# Allegro board arena_12-12_v5.brd (continued)
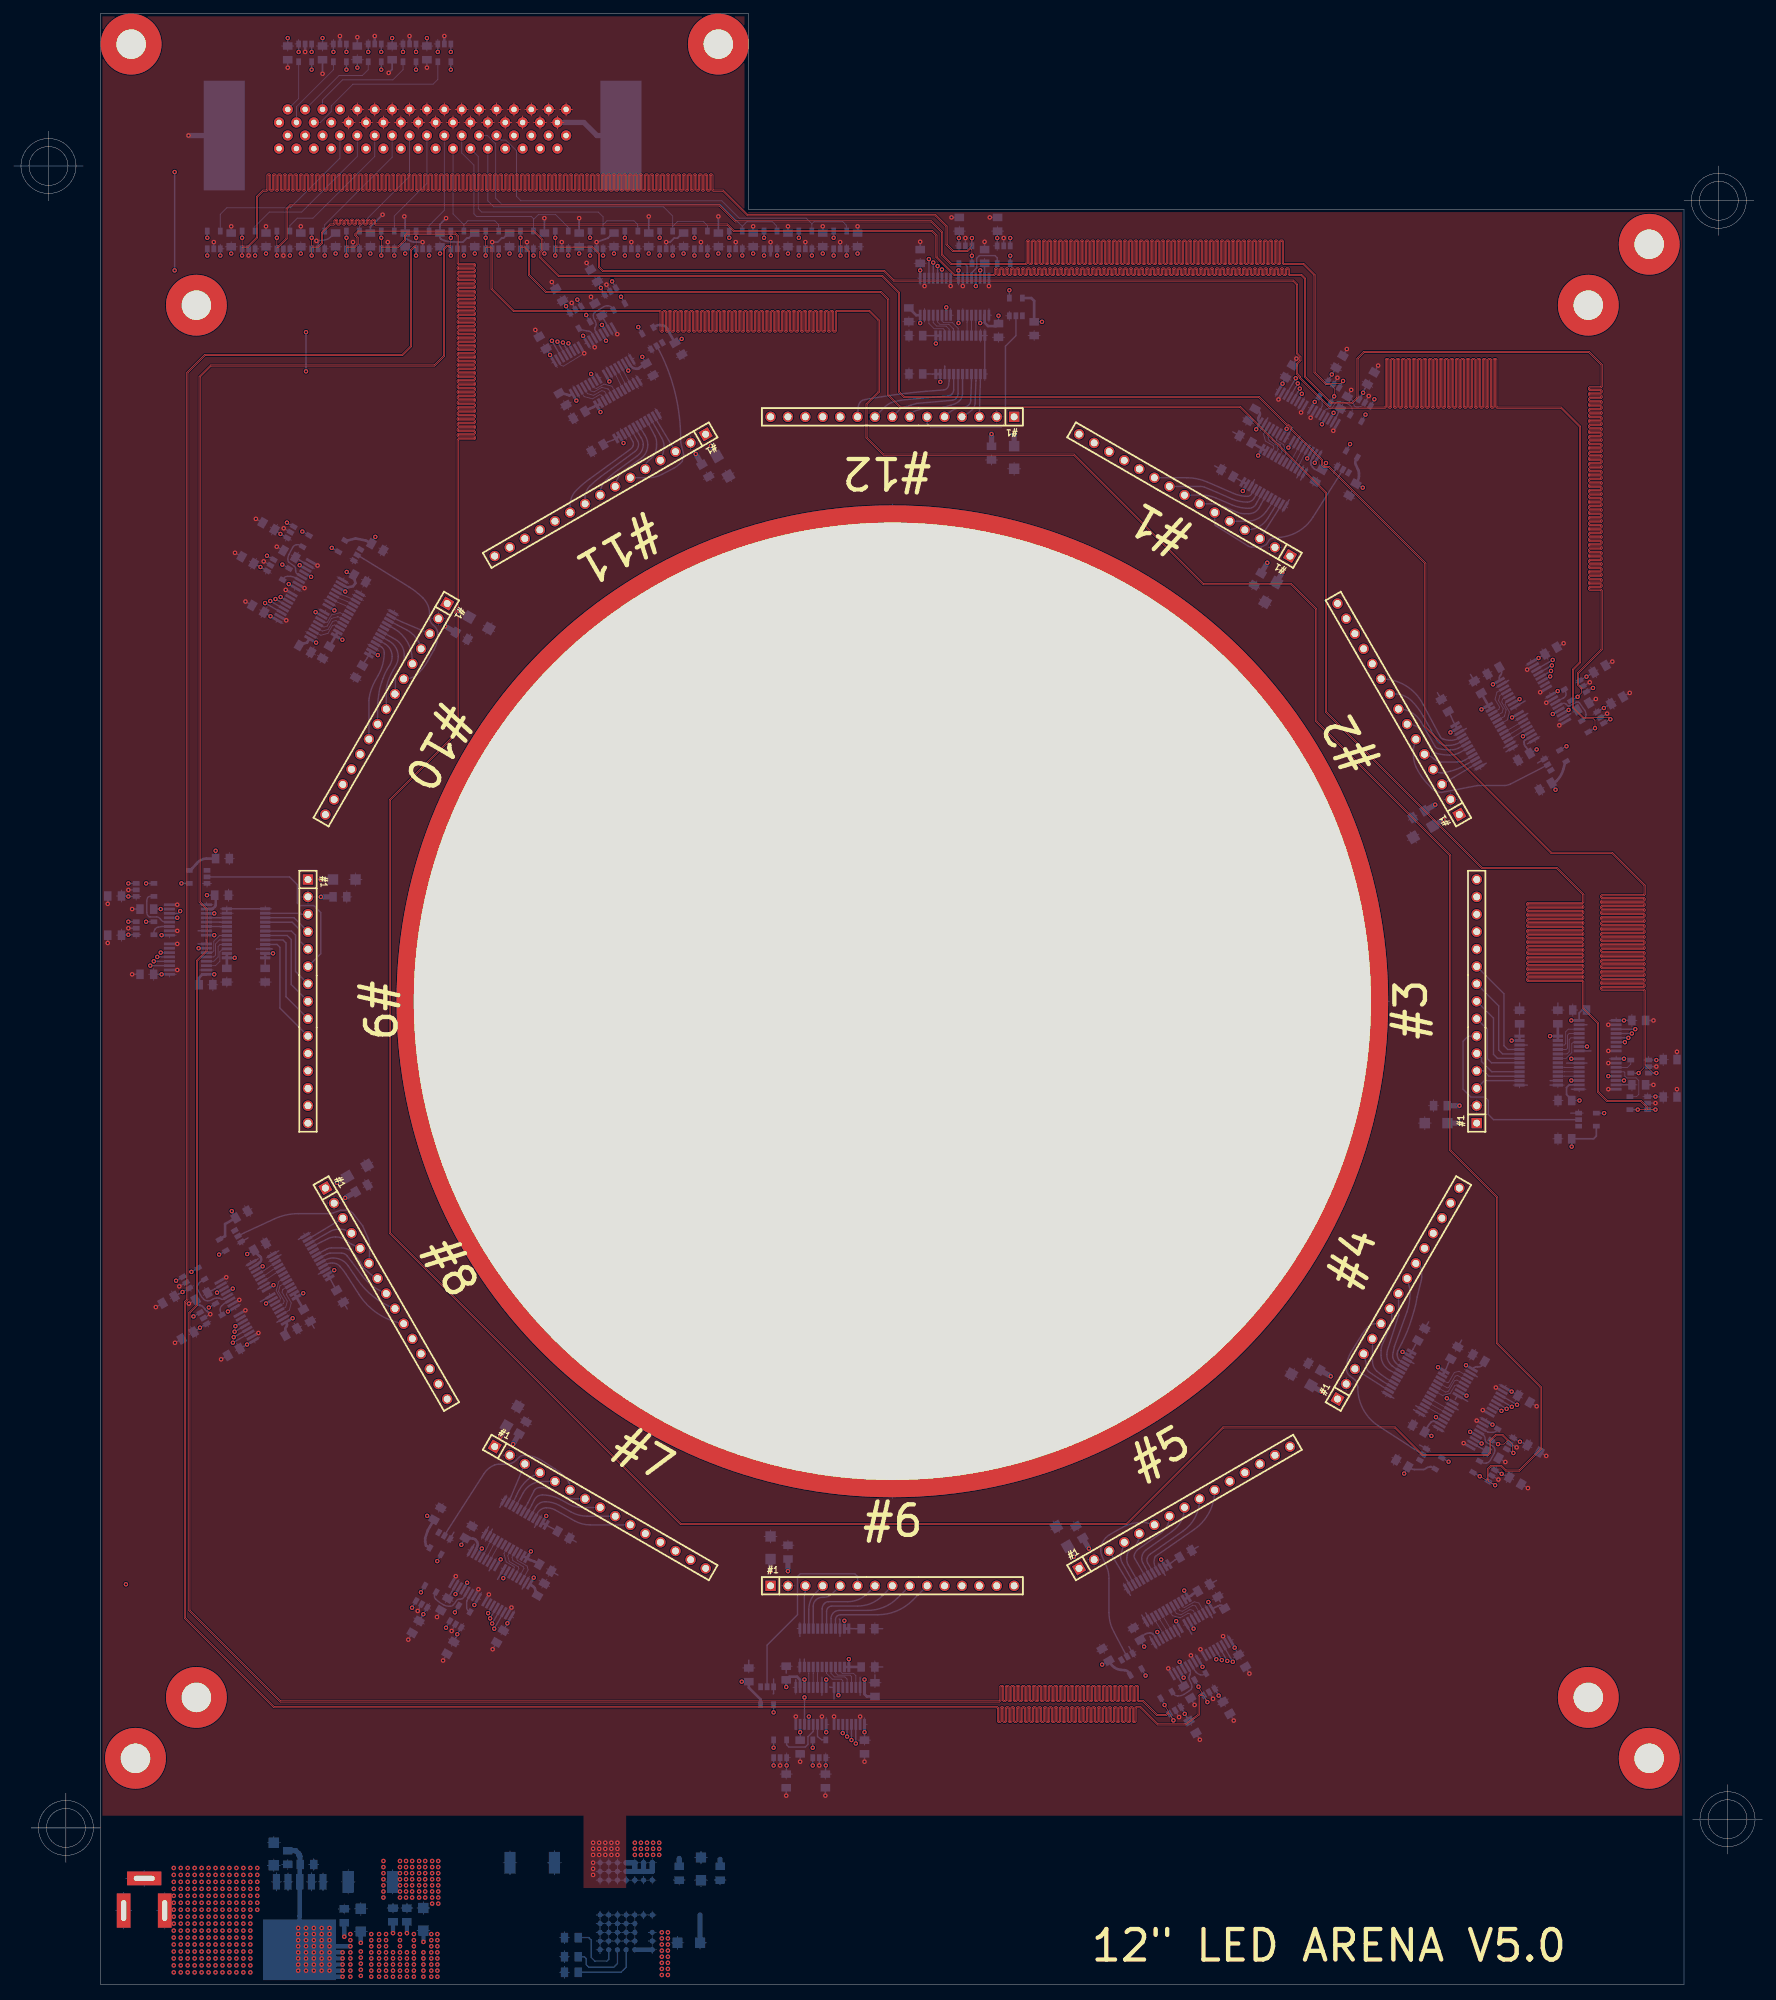
[diagram p0: board, top side]
## Routing (per net, layer and track width the routed paths; a pad name or vN(x,y) marks a point on that pad's centre or on a via; arc(x,y) is an arc through that point) (continued)
  BOTTOM w0.203: U97.4 v1(58.74,254.95) ; U98.3 v1(174.26,41.23)
MISO0: length 349.9
  GND2 w0.127: v1(115.44,41.91) 37.85,41.91 30.99,48.77 17.02,48.77 15.24,50.55 15.24,266.57 17.65,268.99 39.12,268.99 40.01,269.88
  BOTTOM w0.203: 115.44,37.97 v1(115.44,41.91)
MISO1: length 270.1
  PWR w0.203: v1(64.5,56.98) 63.06,58.42 v1(16.38,58.42)
  GND2 w0.127: v1(16.38,58.42) 15.88,58.93 15.88,224.66 37.59,246.38 37.59,264.29 J26.66
  BOTTOM w0.203: U14.6 v1(64.5,56.98)
MISO2: length 194
  GND2 w0.127: 42.55,269.88 42.55,259.59 40.64,257.68 40.64,254.38 41.15,253.87 41.15,247.65 16.51,223.01 16.51,161.8 20.32,157.99 20.32,153.03 18.29,151 18.29,107.31 18.8,106.81 28.19,106.81 29.72,105.28 29.72,101.59 29.81,101.49 v1(29.68,100.99)
  BOTTOM w0.203: U15.6 v1(29.68,100.99)
MISO3: length 130.9
  GND2 w0.127: J26.64 43.82,256.41 42.93,255.52 42.93,246.63 16.89,220.6 16.89,162.18 17.4,161.67 22.35,161.67 22.73,161.29 22.73,156.97 23.03,156.67 v1(24.3,156.67)
  BOTTOM w0.203: 22.73,156.34 23.96,156.34 v1(24.3,156.67)
MISO4: length 65.2
  GND2 w0.127: 45.09,269.88 45.09,253.37 44.45,252.73 44.45,209.86 v1(41.74,207.16)
  BOTTOM w0.203: 42.74,206.59 v1(41.74,207.16)
MISO5: length 68.2
  GND2 w0.127: v1(85.87,242.23) 84.96,243.14 84.96,248.67 86.74,250.44 86.74,253.49 87.25,254 87.25,263.78 86.36,264.67 46.99,264.67 46.36,265.3 46.36,267.97
  BOTTOM w0.203: 86.44,241.24 v1(85.87,242.23)
MISO6: length 125.8
  GND2 w0.127: v1(141.1,250.19) 140.46,250.82 140.46,256.41 139.45,257.43 137.15,257.43 137.12,257.4 136.17,257.4 135.64,257.94 106.43,257.94 105.41,258.95 105.41,274.57 103.38,276.61 49.91,276.61 48.9,275.59 48.9,273.43 47.63,272.16 47.63,271.53 48.9,270.26 J26.60
  BOTTOM w0.203: 141.1,249.05 v1(141.1,250.19)
MISO7: length 193.4
  GND2 w0.127: v1(192.68,229.4) 191.39,230.69 191.39,245.75 190.75,246.38 131.83,246.38 130.94,247.27 130.94,256.67 130.18,257.43 105.79,257.43 104.65,258.57 104.65,273.81 102.36,276.1 52.58,276.1 51.31,274.83 51.31,273.18 50.29,272.16 50.29,271.27 51.44,270.13 J26.58
  BOTTOM w0.203: 192.11,228.41 v1(192.68,229.4)
MISO8: length 265.1
  GND2 w0.127: J26.56 53.98,270.13 52.96,271.14 52.96,272.29 53.72,273.05 53.72,274.7 54.48,275.46 101.6,275.46 104.01,273.05 104.01,258.06 105.54,256.54 106.17,256.54 106.93,255.78 106.93,251.84 107.7,251.08 129.29,251.08 130.05,250.32 130.05,247.01 131.19,245.87 180.85,245.87 181.99,244.73 181.99,230.38 184.2,228.17 190.58,228.17 191.01,228.6 225.55,228.6 226.99,227.16 v1(226.99,186.03)
  BOTTOM w0.203: U21.6 v1(226.99,186.03)
MISO9: length 311.3
  GND2 w0.127: v1(235.08,131.95) 234.06,131.95 233.81,132.21 233.81,163.07 215.14,181.74 215.14,212.72 210.44,217.42 183.64,217.42 180.85,220.22 180.85,242.82 179.58,244.09 143.55,244.09 143.49,244.03 130.75,244.03 129.16,245.62 129.16,249.05 128.4,249.81 104.65,249.81 103.76,250.7 103.76,252.98 102.24,254.51 102.24,259.21 103.12,260.1 103.12,272.41 100.46,275.08 57.02,275.08 56.52,274.57 56.52,273.43 55.5,272.41 55.5,271.14 56.52,270.13 J26.54
  BOTTOM w0.203: U22.6 v1(235.08,131.95)
MISO10: length 366.5
  GND2 w0.127: J26.52 59.06,270 59.89,270.84 100.13,270.84 101.41,269.56 101.41,254.06 100.08,252.73 100.08,249.56 101.09,248.54 126.75,248.54 127.64,247.65 127.64,242.57 129.16,241.05 178.56,241.05 179.58,240.03 179.58,219.58 182.88,216.28 209.17,216.28 213.61,211.84 213.61,181.61 231.39,163.83 231.39,82.17 229.62,80.39 216.54,80.39 215.12,78.97 v1(214.29,78.97)
  BOTTOM w0.203: U23.6 v1(214.29,78.97)
MISO11: length 423.8
  GND2 w0.127: v1(170.79,44.79) 171.34,45.34 179.58,45.34 181.99,47.75 204.72,47.75 206.25,49.28 206.25,77.09 215.52,86.36 215.52,90.55 216.79,91.82 227.97,91.82 230.25,94.11 230.25,163.19 212.73,180.72 212.73,211.07 208.66,215.14 181.36,215.14 178.44,218.06 178.44,238.63 177.03,240.04 134.4,240.04 134.39,240.03 128.02,240.03 126.62,241.43 126.62,246.25 125.6,247.27 98.43,247.27 96.9,248.79 96.9,264.67 95.89,265.68 62.36,265.68 61.6,266.45 J26.50
  BOTTOM w0.203: U24.6 v1(170.79,44.79)
MOSI0: length 3.1
  BOTTOM w0.203: U13.3 117.35,36.19 117.98,35.71 U76.5
MOSI1: length 3
  BOTTOM w0.203: U78.5 66.47,54.46 arc(66.22,54.71) 66.12,55.06 66.12,55.83 arc(66.13,55.88) 66.14,55.93 66.16,56.01 arc(66.21,56.13) 66.27,56.24 U14.3
MOSI2: length 3
  BOTTOM w0.203: U15.3 30.89,99.49 arc(30.62,99.3) 30.37,99.09 30.36,99.07 arc(30.2,98.83) 30.14,98.55 30.14,98.42 arc(30.16,98.25) 30.23,98.08 U80.5
MOSI3: length 3.1
  BOTTOM w0.203: U82.5 20.47,153.58 arc(20.51,153.79) 20.6,153.98 20.65,154.05 arc(20.86,154.25) 21.13,154.35 21.63,154.42 arc(21.7,154.43) 21.78,154.43 U16.3
MOSI4: length 2.9
  BOTTOM w0.203: U17.3 41.08,205.34 arc(40.89,205.43) 40.67,205.49 40.5,205.52 arc(40.45,205.53) 40.41,205.53 39.94,205.53 arc(39.6,205.44) 39.34,205.18 39.26,205.03
MOSI5: length 2.9
  BOTTOM w0.203: U18.3 84.34,241.07 arc(84.27,241.17) 84.18,241.24 arc(84.07,241.29) 83.96,241.32 83.63,241.37 arc(83.27,241.43) 82.92,241.51 82.65,241.59 arc(82.58,241.62) 82.54,241.67 82.5,241.73
MOSI6: length 3.1
  BOTTOM w0.203: U88.5 138.84,251.18 139.19,250.82 U19.3
MOSI7: length 2.7
  BOTTOM w0.127: U20.3 190.91,230.15 arc(190.95,230.22) 190.99,230.3 191,230.33 arc(191.02,230.37) 191.02,230.42 191.02,231.12 arc(190.93,231.44) 190.7,231.68 190.55,231.76
MOSI8: length 2.8
  BOTTOM w0.203: U21.3 225.63,187.45 arc(225.94,187.63) 226.25,187.79 226.31,187.83 arc(226.51,188) 226.61,188.24 arc(226.61,188.52) 226.51,188.77 U92.5
MOSI9: length 2.9
  BOTTOM w0.127: U22.3 235.58,133.86 236.07,134.34 U94.5
MOSI10: length 2.8
  BOTTOM w0.203: U96.5 216.56,80.95 arc(216.31,80.7) 215.96,80.6 215.33,80.6 arc(215.27,80.61) 215.23,80.63 215.2,80.65 arc(215.18,80.66) 215.16,80.68 U23.3
MOSI11: length 3
  BOTTOM w0.203: U98.5 173.79,45.27 arc(173.53,45.19) 173.27,45.21 173.17,45.24 arc(172.87,45.38) 172.62,45.59 arc(172.4,45.86) 172.22,46.14 U24.3
MOSI_0: length 7.6
  BOTTOM w0.127: J26.33 41.6,275.28 U75.5
MOSI_1: length 11.1
  BOTTOM w0.127: U77.5 46.68,279.49 41.28,274.09 J26.32
MOSI_2: length 12.8
  BOTTOM w0.127: J26.31 47.5,278.64 50.91,278.64 51.76,279.49 U79.5
MOSI_3: length 23.8
  BOTTOM w0.127: U81.5 61.92,278.07 61.21,277.37 49.53,277.37 46.36,274.19 46.36,273.38 44.76,271.78 J26.30
MOSI_4: length 16.1
  BOTTOM w0.127: J26.29 45.09,275.08 48.01,278 55.35,278 56.84,279.49 U83.5
MOSI_5: length 26.6
  BOTTOM w0.127: 47.63,269.88 47.63,266.57 40.39,259.33 31.12,259.33 30.16,258.38 U85.5
MOSI_6: length 22.9
  BOTTOM w0.127: 50.17,269.88 50.17,266.83 42.04,258.7 37.32,258.7 35.24,256.62 U87.5
MOSI_7: length 20.4
  BOTTOM w0.127: 52.71,269.88 52.71,266.83 43.69,257.81 41.4,257.81 40.32,256.73 U89.5
MOSI_8: length 18
  BOTTOM w0.127: 55.25,269.88 55.25,266.7 45.4,256.85 U91.5
MOSI_9: length 17
  BOTTOM w0.127: U93.5 50.48,256.62 57.79,263.92 57.79,269.88
MOSI_10: length 15.9
  BOTTOM w0.127: U95.5 55.56,258.12 60.33,262.89 60.33,269.88
MOSI_11: length 14.9
  BOTTOM w0.127: 62.87,269.88 62.87,258.95 60.64,256.73 U97.5
RESET: length 840.5
  LAYER 2 w0.203: 215.77,80.01 215.77,73.19 215.27,72.68 215.27,53.34 213.36,51.43 176.02,51.43 175.26,50.67 175.26,47.97 175,47.71 175,47.49 174.45,46.95 170.74,46.95 v1(170.2,47.09) 170.2,45.74 169.29,44.83 169.29,39.62 168.22,38.56 116.64,38.56 v1(116.08,39.12) 115.32,38.35 75.31,38.35 73.79,39.88 73.79,54.99 73.15,55.63 68.07,55.63 66.19,57.51 v1(66.19,58.65) ; 215.77,80.01 213.28,80.01 v1(212.62,80.67) ; 215.77,80.01 216.43,80.67 216.43,81.96 216.41,81.98 216.41,84.07 216.93,84.59 216.93,87.38 216.92,87.39 216.92,88.39 218.69,90.17 232.79,90.17 233.68,91.06 233.68,131.7 v1(232.79,132.59) 233.68,133.48 233.68,141.86 235.08,143.26 235.08,182.25 233.3,184.02 226.95,184.02 225.53,185.44 v1(224.69,185.44) 225.55,186.31 225.55,187.32 222,190.88 222,226.44 220.7,227.74 v1(190.99,227.74) 191.26,228.22 191.26,228.72 188.37,231.62 185.83,231.62 185.42,232.03 183.26,232.03 182.88,232.41 182.88,248.67 182.25,249.3 140.97,249.3 140.46,248.79 v1(140.46,247.9) 139.46,246.9 87.77,246.9 86.98,246.11 86.98,240.44 v1(86.46,239.93) 82.32,239.93 81.79,239.39 81.79,237.74 80.52,236.47 43.69,236.47 v1(42.67,235.46) 40.26,233.04 40.26,213.79 40.45,213.6 40.45,213.14 40.26,212.95 40.26,206.12 40.92,205.46 41.89,205.46 ; v1(23.5,264.54) 23.5,270.64 25.33,272.47 38.04,272.47 J26.34 ; 41.89,205.46 40.72,204.29 40.72,198.96 39.12,197.36 24,197.36 23.11,196.47 23.11,158.75 22.48,158.11 22.48,157.1 v1(23.88,155.7) 22.86,154.69 22.86,150.37 24.43,148.79 24.43,146.86 23.62,146.05 23.62,103.63 24.89,102.36 31.19,102.36 v1(31.98,101.58) ; 41.89,205.46 v1(43.41,205.46) ; v1(42.67,241.17) 42.67,248.67 41.15,250.19 v1(23.5,250.19)
  BOTTOM w0.203: U20.5 v1(190.99,227.74) ; U18.5 v1(86.46,239.93) ; v1(23.5,250.19) v1(23.5,264.54) ; U13.5 v1(116.08,39.12) ; U22.5 v1(232.79,132.59) ; U14.5 v1(66.19,58.65) ; U19.5 v1(140.46,247.9) ; U15.5 v1(31.98,101.58) ; U23.5 v1(212.62,80.67) ; U21.5 v1(224.69,185.44) ; U24.5 v1(170.2,47.09) ; U17.5 v1(43.41,205.46) ; U16.5 v1(23.88,155.7) ; v1(42.67,235.46) v1(42.67,241.17)
S0_N: length 468.3
  PWR w0.089: v1(114.62,252.36) 114.62,253.49 114.81,253.69 115.07,253.69 115.19,253.57 115.78,253.57 116.25,254.04 116.25,256.33 117.04,257.12 226.37,257.12 241.94,241.56 241.94,64.76 206.89,29.72 123.32,29.72 119.63,33.4 119.63,35.18 118.62,36.19 115.7,36.19 112.86,33.36 111.03,33.36 110.94,33.45 v1(110.94,34.57)
  BOTTOM w0.203: U49.3 v1(114.62,252.36) ; U50.4 v1(110.94,34.57)
S0_P: length 468.5
  PWR w0.089: v1(110.94,31.98) 110.94,33.1 111.03,33.19 112.94,33.19 115.77,36.02 118.54,36.02 119.46,35.11 119.46,33.33 123.24,29.54 206.96,29.54 242.11,64.69 242.11,241.63 226.45,257.3 116.96,257.3 116.07,256.41 116.07,254.11 115.71,253.75 115.26,253.75 114.62,254.39 v1(114.62,254.95)
  BOTTOM w0.203: U50.3 v1(110.94,31.98) ; U49.4 v1(114.62,254.95)
S1_N: length 493.1
  PWR w0.089: v1(119.7,252.36) 119.7,253.48 119.86,253.64 120.93,253.64 121.33,254.04 121.33,254.81 122.04,255.52 210.57,255.52 240.3,225.79 240.3,93.49 224.23,77.41 224.23,76.95 223.93,76.66 223.47,76.66 180.52,33.71 130.38,33.71 126.8,37.28 126.8,47.7 123.9,50.6 75.24,50.6 73.97,49.33 71.07,49.33 64.21,56.18 59.56,56.18 59.45,56.3 v1(59.45,57.25)
  BOTTOM w0.203: 60.02,58.24 v1(59.45,57.25) ; U51.3 v1(119.7,252.36)
S1_P: length 494
  PWR w0.089: v1(119.7,254.95) 119.7,254.95 120.02,254.63 120.02,254.13 120.33,253.82 120.86,253.82 121.15,254.11 121.15,254.89 121.97,255.7 210.64,255.7 240.48,225.86 240.48,93.42 224.41,77.34 224.41,76.88 224.01,76.48 223.55,76.48 180.59,33.53 130.3,33.53 126.62,37.21 126.62,47.62 123.83,50.42 75.31,50.42 74.04,49.15 70.99,49.15 64.14,56.01 59.16,56.01 v1(58.16,55)
  BOTTOM w0.203: U51.4 v1(119.7,254.95) ; 58.73,55.99 v1(58.16,55)
S2_N: length 482
  PWR w0.089: v1(25.95,104.02) 25.2,103.27 25.2,102.63 25.29,102.54 26.34,102.54 27.13,103.32 27.13,109.8 31.06,113.74 31.06,115.08 31.23,115.25 34.68,115.25 34.75,115.31 34.75,115.4 34.68,115.46 31.23,115.46 31.06,115.63 31.06,115.87 31.23,116.03 34.68,116.03 34.75,116.1 34.75,116.19 34.68,116.25 31.23,116.25 31.06,116.42 31.06,116.65 31.23,116.82 34.68,116.82 34.75,116.89 34.75,116.97 34.68,117.04 31.23,117.04 31.06,117.21 31.06,117.44 31.23,117.61 34.68,117.61 34.75,117.67 34.75,117.76 34.68,117.83 31.23,117.83 31.06,117.99 31.06,118.23 31.23,118.4 34.68,118.4 34.75,118.46 34.75,118.55 34.68,118.61 31.23,118.61 31.06,118.78 31.06,119.02 31.23,119.18 34.68,119.18 34.75,119.25 34.75,119.34 34.68,119.4 31.23,119.4 31.06,119.57 31.06,119.8 31.23,119.97 34.68,119.97 34.75,120.04 34.75,120.12 34.68,120.19 31.23,120.19 31.06,120.36 31.06,120.59 31.23,120.76 34.68,120.76 34.75,120.82 34.75,120.91 34.68,120.98 31.23,120.98 31.06,121.14 31.06,121.38 31.23,121.55 34.68,121.55 34.75,121.61 34.75,121.7 34.68,121.76 31.23,121.76 31.06,121.93 31.06,122.17 31.23,122.33 34.68,122.33 34.75,122.4 34.75,122.49 34.68,122.55 31.23,122.55 31.06,122.72 31.06,122.95 31.23,123.12 34.68,123.12 34.75,123.18 34.75,123.27 34.68,123.34 31.23,123.34 31.06,123.5 31.06,123.74 31.23,123.91 34.68,123.91 34.75,123.97 34.75,124.06 34.68,124.12 31.23,124.12 31.06,124.29 31.06,124.53 31.23,124.7 34.68,124.7 34.75,124.76 34.75,124.85 34.68,124.91 31.23,124.91 31.06,125.08 31.06,125.32 31.23,125.48 34.68,125.48 34.75,125.55 34.75,125.64 34.68,125.7 31.23,125.7 31.06,125.87 31.06,126.1 31.23,126.27 34.68,126.27 34.75,126.33 34.75,126.42 34.68,126.49 31.23,126.49 31.06,126.65 31.06,126.89 31.23,127.06 34.68,127.06 34.75,127.12 34.75,127.21 34.68,127.27 31.23,127.27 31.06,127.44 31.06,127.68 31.23,127.85 34.68,127.85 34.75,127.91 34.75,128 34.68,128.06 31.23,128.06 31.06,128.23 31.06,128.47 31.23,128.63 34.68,128.63 34.75,128.7 34.75,128.79 34.68,128.85 31.23,128.85 31.06,129.02 31.06,129.25 31.23,129.42 34.68,129.42 34.75,129.48 34.75,129.57 34.68,129.64 31.23,129.64 31.06,129.8 31.06,130.04 31.23,130.21 34.68,130.21 34.75,130.27 34.75,130.36 34.68,130.42 31.23,130.42 31.06,130.59 31.06,130.83 31.23,131 34.68,131 34.75,131.06 34.75,131.15 34.68,131.21 31.23,131.21 31.06,131.38 31.06,131.62 31.23,131.78 34.68,131.78 34.75,131.85 34.75,131.94 34.68,132 31.23,132 31.06,132.17 31.06,132.4 31.23,132.57 34.68,132.57 34.75,132.63 34.75,132.72 34.68,132.79 31.23,132.79 31.06,132.95 31.06,133.19 31.23,133.36 34.68,133.36 34.75,133.42 34.75,133.51 34.68,133.57 31.23,133.57 31.06,133.74 31.06,133.98 31.23,134.15 34.68,134.15 34.75,134.21 34.75,134.3 34.68,134.36 31.23,134.36 31.06,134.53 31.06,134.76 31.23,134.93 34.68,134.93 34.75,135 34.75,135.08 34.68,135.15 31.23,135.15 31.06,135.32 31.06,135.55 31.23,135.72 34.68,135.72 34.75,135.78 34.75,135.87 34.68,135.94 31.23,135.94 31.06,136.1 31.06,136.34 31.23,136.51 34.68,136.51 34.75,136.57 34.75,136.66 34.68,136.72 31.23,136.72 31.06,136.89 31.06,137.13 31.23,137.29 34.68,137.29 34.75,137.36 34.75,137.45 34.68,137.51 31.23,137.51 31.06,137.68 31.06,137.91 31.23,138.08 34.68,138.08 34.75,138.15 34.75,138.23 34.68,138.3 31.23,138.3 31.06,138.47 31.06,138.7 31.23,138.87 34.68,138.87 34.75,138.93 34.75,139.02 34.68,139.09 31.23,139.09 31.06,139.25 31.06,139.49 31.23,139.66 34.68,139.66 34.75,139.72 34.75,139.81 34.68,139.87 31.23,139.87 31.06,140.04 31.06,140.28 31.23,140.44 34.68,140.44 34.75,140.51 34.75,140.6 34.68,140.66 31.23,140.66 31.06,140.83 31.06,141.06 31.23,141.23 34.68,141.23 34.75,141.3 34.75,141.38 34.68,141.45 31.23,141.45 31.06,141.62 31.06,141.85 31.23,142.02 34.68,142.02 34.75,142.08 34.75,142.17 34.68,142.23 31.23,142.23 31.06,142.4 31.06,142.64 31.23,142.81 34.68,142.81 34.75,142.87 34.75,142.96 34.68,143.02 31.23,143.02 31.06,143.19 31.06,143.43 31.23,143.59 34.68,143.59 34.75,143.66 34.75,143.75 34.68,143.81 31.23,143.81 31.06,143.98 31.06,181.81 40.66,191.4 40.66,208.64 38.23,211.08 38.23,212.34 38.81,212.93 38.81,240.87 40.03,242.08 40.03,242.08 40.13,242.19 43.23,242.19 43.41,242.36 43.97,242.36 44.15,242.19 83.69,242.19 84.79,243.28 84.79,248.99 85.91,250.11 94.8,250.11 95.33,250.64 95.33,253.29 95.05,253.57 94.39,253.57 94.3,253.48 v1(94.3,252.36)
  BOTTOM w0.203: U54.4 v1(25.95,104.02) ; U53.3 v1(94.3,252.36)
S2_P: length 483.2
  PWR w0.089: v1(23.7,102.73) 24.1,103.12 25.02,103.12 25.02,102.56 25.21,102.36 26.42,102.36 27.31,103.25 27.31,109.73 31.24,113.66 31.24,115.01 31.31,115.07 34.76,115.07 34.93,115.24 34.93,115.47 34.76,115.64 31.31,115.64 31.24,115.7 31.24,115.79 31.31,115.86 34.76,115.86 34.93,116.02 34.93,116.26 34.76,116.43 31.31,116.43 31.24,116.49 31.24,116.58 31.31,116.64 34.76,116.64 34.93,116.81 34.93,117.05 34.76,117.22 31.31,117.22 31.24,117.28 31.24,117.37 31.31,117.43 34.76,117.43 34.93,117.6 34.93,117.84 34.76,118 31.31,118 31.24,118.07 31.24,118.16 31.31,118.22 34.76,118.22 34.93,118.39 34.93,118.62 34.76,118.79 31.31,118.79 31.24,118.85 31.24,118.94 31.31,119.01 34.76,119.01 34.93,119.17 34.93,119.41 34.76,119.58 31.31,119.58 31.24,119.64 31.24,119.73 31.31,119.79 34.76,119.79 34.93,119.96 34.93,120.2 34.76,120.37 31.31,120.37 31.24,120.43 31.24,120.52 31.31,120.58 34.76,120.58 34.93,120.75 34.93,120.99 34.76,121.15 31.31,121.15 31.24,121.22 31.24,121.31 31.31,121.37 34.76,121.37 34.93,121.54 34.93,121.77 34.76,121.94 31.31,121.94 31.24,122 31.24,122.09 31.31,122.16 34.76,122.16 34.93,122.32 34.93,122.56 34.76,122.73 31.31,122.73 31.24,122.79 31.24,122.88 31.31,122.94 34.76,122.94 34.93,123.11 34.93,123.35 34.76,123.52 31.31,123.52 31.24,123.58 31.24,123.67 31.31,123.73 34.76,123.73 34.93,123.9 34.93,124.13 34.76,124.3 31.31,124.3 31.24,124.37 31.24,124.45 31.31,124.52 34.76,124.52 34.93,124.69 34.93,124.92 34.76,125.09 31.31,125.09 31.24,125.15 31.24,125.24 31.31,125.31 34.76,125.31 34.93,125.47 34.93,125.71 34.76,125.88 31.31,125.88 31.24,125.94 31.24,126.03 31.31,126.09 34.76,126.09 34.93,126.26 34.93,126.5 34.76,126.66 31.31,126.66 31.24,126.73 31.24,126.82 31.31,126.88 34.76,126.88 34.93,127.05 34.93,127.28 34.76,127.45 31.31,127.45 31.24,127.52 31.24,127.6 31.31,127.67 34.76,127.67 34.93,127.84 34.93,128.07 34.76,128.24 31.31,128.24 31.24,128.3 31.24,128.39 31.31,128.46 34.76,128.46 34.93,128.62 34.93,128.86 34.76,129.03 31.31,129.03 31.24,129.09 31.24,129.18 31.31,129.24 34.76,129.24 34.93,129.41 34.93,129.65 34.76,129.81 31.31,129.81 31.24,129.88 31.24,129.97 31.31,130.03 34.76,130.03 34.93,130.2 34.93,130.43 34.76,130.6 31.31,130.6 31.24,130.67 31.24,130.75 31.31,130.82 34.76,130.82 34.93,130.99 34.93,131.22 34.76,131.39 31.31,131.39 31.24,131.45 31.24,131.54 31.31,131.61 34.76,131.61 34.93,131.77 34.93,132.01 34.76,132.18 31.31,132.18 31.24,132.24 31.24,132.33 31.31,132.39 34.76,132.39 34.93,132.56 34.93,132.8 34.76,132.96 31.31,132.96 31.24,133.03 31.24,133.12 31.31,133.18 34.76,133.18 34.93,133.35 34.93,133.58 34.76,133.75 31.31,133.75 31.24,133.81 31.24,133.9 31.31,133.97 34.76,133.97 34.93,134.13 34.93,134.37 34.76,134.54 31.31,134.54 31.24,134.6 31.24,134.69 31.31,134.75 34.76,134.75 34.93,134.92 34.93,135.16 34.76,135.33 31.31,135.33 31.24,135.39 31.24,135.48 31.31,135.54 34.76,135.54 34.93,135.71 34.93,135.95 34.76,136.11 31.31,136.11 31.24,136.18 31.24,136.27 31.31,136.33 34.76,136.33 34.93,136.5 34.93,136.73 34.76,136.9 31.31,136.9 31.24,136.96 31.24,137.05 31.31,137.12 34.76,137.12 34.93,137.28 34.93,137.52 34.76,137.69 31.31,137.69 31.24,137.75 31.24,137.84 31.31,137.9 34.76,137.9 34.93,138.07 34.93,138.31 34.76,138.48 31.31,138.48 31.24,138.54 31.24,138.63 31.31,138.69 34.76,138.69 34.93,138.86 34.93,139.1 34.76,139.26 31.31,139.26 31.24,139.33 31.24,139.42 31.31,139.48 34.76,139.48 34.93,139.65 34.93,139.88 34.76,140.05 31.31,140.05 31.24,140.11 31.24,140.2 31.31,140.27 34.76,140.27 34.93,140.43 34.93,140.67 34.76,140.84 31.31,140.84 31.24,140.9 31.24,140.99 31.31,141.05 34.76,141.05 34.93,141.22 34.93,141.46 34.76,141.63 31.31,141.63 31.24,141.69 31.24,141.78 31.31,141.84 34.76,141.84 34.93,142.01 34.93,142.25 34.76,142.41 31.31,142.41 31.24,142.48 31.24,142.57 31.31,142.63 34.76,142.63 34.93,142.8 34.93,143.03 34.76,143.2 31.31,143.2 31.24,143.26 31.24,143.35 31.31,143.42 34.76,143.42 34.93,143.58 34.93,143.82 34.76,143.99 31.31,143.99 31.24,144.05 31.24,181.73 40.84,191.33 40.84,208.72 38.4,211.15 38.4,212.27 38.99,212.85 38.99,240.79 40.21,242.01 43.3,242.01 43.48,242.18 43.9,242.18 44.07,242.01 83.77,242.01 84.96,243.2 84.96,248.92 85.98,249.94 94.87,249.94 95.5,250.57 95.5,253.37 95.13,253.74 94.39,253.74 94.3,253.83 v1(94.3,254.95)
  BOTTOM w0.203: 24.69,103.3 v1(23.7,102.73) ; U53.4 v1(94.3,254.95)
S3_N: length 475.5
  PWR w0.089: v1(19.33,160.72) 19.03,160.72 18.47,160.15 18.47,159.59 18.62,159.44 20.5,159.44 20.78,159.71 20.78,161.72 20.25,162.26 18.47,162.26 17.98,162.74 17.98,164.88 18.15,165.05 19.44,165.05 19.51,165.12 19.51,165.2 19.44,165.27 18.15,165.27 17.98,165.44 17.98,165.67 18.15,165.84 19.44,165.84 19.51,165.9 19.51,165.99 19.44,166.06 18.15,166.06 17.98,166.22 17.98,166.46 18.15,166.63 19.44,166.63 19.51,166.69 19.51,166.78 19.44,166.84 18.15,166.84 17.98,167.01 17.98,167.25 18.15,167.41 19.44,167.41 19.51,167.48 19.51,167.57 19.44,167.63 18.15,167.63 17.98,167.8 17.98,168.03 18.15,168.2 19.44,168.2 19.51,168.26 19.51,168.35 19.44,168.42 18.15,168.42 17.98,168.58 17.98,168.82 18.15,168.99 19.44,168.99 19.51,169.05 19.51,169.14 19.44,169.2 18.15,169.2 17.98,169.37 17.98,169.61 18.15,169.78 19.44,169.78 19.51,169.84 19.51,169.93 19.44,169.99 18.15,169.99 17.98,170.16 17.98,170.4 18.15,170.56 19.44,170.56 19.51,170.63 19.51,170.72 19.44,170.78 18.15,170.78 17.98,170.95 17.98,171.18 18.15,171.35 19.44,171.35 19.51,171.41 19.51,171.5 19.44,171.57 18.15,171.57 17.98,171.73 17.98,171.97 18.15,172.14 19.44,172.14 19.51,172.2 19.51,172.29 19.44,172.35 18.15,172.35 17.98,172.52 17.98,172.76 18.15,172.93 19.44,172.93 19.51,172.99 19.51,173.08 19.44,173.14 18.15,173.14 17.98,173.31 17.98,173.55 18.15,173.71 19.44,173.71 19.51,173.78 19.51,173.87 19.44,173.93 18.15,173.93 17.98,174.1 17.98,174.33 18.15,174.5 19.44,174.5 19.51,174.56 19.51,174.65 19.44,174.72 18.15,174.72 17.98,174.88 17.98,175.12 18.15,175.29 19.44,175.29 19.51,175.35 19.51,175.44 19.44,175.5 18.15,175.5 17.98,175.67 17.98,175.91 18.15,176.08 19.44,176.08 19.51,176.14 19.51,176.23 19.44,176.29 18.15,176.29 17.98,176.46 17.98,176.7 18.15,176.86 19.44,176.86 19.51,176.93 19.51,177.02 19.44,177.08 18.15,177.08 17.98,177.25 17.98,177.48 18.15,177.65 19.44,177.65 19.51,177.71 19.51,177.8 19.44,177.87 18.15,177.87 17.98,178.03 17.98,178.27 18.15,178.44 19.44,178.44 19.51,178.5 19.51,178.59 19.44,178.65 18.15,178.65 17.98,178.82 17.98,179.06 18.15,179.22 19.44,179.22 19.51,179.29 19.51,179.38 19.44,179.44 18.15,179.44 17.98,179.61 17.98,179.84 18.15,180.01 19.44,180.01 19.51,180.08 19.51,180.16 19.44,180.23 18.15,180.23 17.98,180.4 17.98,180.63 18.15,180.8 19.44,180.8 19.51,180.86 19.51,180.95 19.44,181.02 18.15,181.02 17.98,181.18 17.98,181.42 18.15,181.59 19.44,181.59 19.51,181.65 19.51,181.74 19.44,181.8 18.15,181.8 17.98,181.97 17.98,182.21 18.15,182.37 19.44,182.37 19.51,182.44 19.51,182.53 19.44,182.59 18.15,182.59 17.98,182.76 17.98,182.99 18.15,183.16 19.44,183.16 19.51,183.23 19.51,183.31 19.44,183.38 18.15,183.38 17.98,183.55 17.98,183.78 18.15,183.95 19.44,183.95 19.51,184.01 19.51,184.1 19.44,184.17 18.15,184.17 17.98,184.33 17.98,184.57 18.15,184.74 19.44,184.74 19.51,184.8 19.51,184.89 19.44,184.95 18.15,184.95 17.98,185.12 17.98,185.36 18.15,185.52 19.44,185.52 19.51,185.59 19.51,185.68 19.44,185.74 18.15,185.74 17.98,185.91 17.98,186.14 18.15,186.31 19.44,186.31 19.51,186.38 19.51,186.46 19.44,186.53 18.15,186.53 17.98,186.7 17.98,186.93 18.15,187.1 19.44,187.1 19.51,187.16 19.51,187.25 19.44,187.31 18.15,187.31 17.98,187.48 17.98,187.72 18.15,187.89 19.44,187.89 19.51,187.95 19.51,188.04 19.44,188.1 18.15,188.1 17.98,188.27 17.98,188.51 18.15,188.67 19.44,188.67 19.51,188.74 19.51,188.83 19.44,188.89 18.15,188.89 17.98,189.06 17.98,189.29 18.15,189.46 19.44,189.46 19.51,189.52 19.51,189.61 19.44,189.68 18.15,189.68 17.98,189.84 17.98,190.08 18.15,190.25 19.44,190.25 19.51,190.31 19.51,190.4 19.44,190.46 18.15,190.46 17.98,190.63 17.98,190.87 18.15,191.04 19.44,191.04 19.51,191.1 19.51,191.19 19.44,191.25 18.15,191.25 17.98,191.42 17.98,191.66 18.15,191.82 19.44,191.82 19.51,191.89 19.51,191.98 19.44,192.04 18.15,192.04 17.98,192.21 17.98,192.44 18.15,192.61 19.44,192.61 19.51,192.67 19.51,192.76 19.44,192.83 18.15,192.83 17.98,192.99 17.98,193.23 18.15,193.4 19.44,193.4 19.51,193.46 19.51,193.55 19.44,193.61 18.15,193.61 17.98,193.78 17.98,194.02 18.15,194.19 19.44,194.19 19.51,194.25 19.51,194.34 19.44,194.4 18.15,194.4 17.98,194.57 17.98,194.81 18.15,194.97 19.44,194.97 19.51,195.04 19.51,195.13 19.44,195.19 18.15,195.19 17.98,195.36 17.98,195.59 18.15,195.76 19.44,195.76 19.51,195.82 19.51,195.91 19.44,195.98 18.15,195.98 17.98,196.14 17.98,196.38 18.15,196.55 19.44,196.55 19.51,196.61 19.51,196.7 19.44,196.76 18.15,196.76 17.98,196.93 17.98,197.17 18.15,197.34 19.44,197.34 19.51,197.4 19.51,197.49 19.44,197.55 18.15,197.55 17.98,197.72 17.98,197.95 18.15,198.12 19.44,198.12 19.51,198.19 19.51,198.27 19.44,198.34 18.15,198.34 17.98,198.51 17.98,198.74 18.15,198.91 19.44,198.91 19.51,198.97 19.51,199.06 19.44,199.13 18.15,199.13 17.98,199.29 17.98,199.53 18.15,199.7 19.44,199.7 19.51,199.76 19.51,199.85 19.44,199.91 18.15,199.91 17.98,200.08 17.98,200.32 18.15,200.48 19.44,200.48 19.51,200.55 19.51,200.64 19.44,200.7 18.15,200.7 17.98,200.87 17.98,201.1 18.15,201.27 19.44,201.27 19.51,201.34 19.51,201.42 19.44,201.49 18.15,201.49 17.98,201.66 17.98,201.89 18.15,202.06 19.44,202.06 19.51,202.12 19.51,202.21 19.44,202.28 18.15,202.28 17.98,202.44 17.98,202.68 18.15,202.85 19.44,202.85 19.51,202.91 19.51,203 19.44,203.06 18.15,203.06 17.98,203.23 17.98,203.47 18.15,203.63 19.44,203.63 19.51,203.7 19.51,203.79 19.44,203.85 18.15,203.85 17.98,204.02 17.98,204.25 18.15,204.42 19.44,204.42 19.51,204.49 19.51,204.57 19.44,204.64 18.15,204.64 17.98,204.81 17.98,205.04 18.15,205.21 19.44,205.21 19.51,205.27 19.51,205.36 19.44,205.43 18.15,205.43 17.98,205.59 17.98,205.83 18.15,206 19.44,206 19.51,206.06 19.51,206.15 19.44,206.21 18.15,206.21 17.98,206.38 17.98,206.62 18.15,206.78 19.44,206.78 19.51,206.85 19.51,206.94 19.44,207 18.15,207 17.98,207.17 17.98,207.4 18.15,207.57 19.44,207.57 19.51,207.63 19.51,207.72 19.44,207.79 18.15,207.79 17.98,207.95 17.98,208.19 18.15,208.36 19.44,208.36 19.51,208.42 19.51,208.51 19.44,208.57 18.15,208.57 17.98,208.74 17.98,208.98 18.15,209.15 19.44,209.15 19.51,209.21 19.51,209.3 19.44,209.36 18.15,209.36 17.98,209.53 17.98,209.77 18.15,209.93 19.44,209.93 19.51,210 19.51,210.09 19.44,210.15 18.15,210.15 17.98,210.32 17.98,210.55 18.15,210.72 19.44,210.72 19.51,210.78 19.51,210.87 19.44,210.94 18.15,210.94 17.98,211.1 17.98,211.34 18.15,211.51 19.44,211.51 19.51,211.57 19.51,211.66 19.44,211.72 18.15,211.72 17.98,211.89 17.98,212.13 18.15,212.3 19.44,212.3 19.51,212.36 19.51,212.45 19.44,212.51 18.15,212.51 17.98,212.68 17.98,212.92 18.15,213.08 19.44,213.08 19.51,213.15 19.51,213.24 19.44,213.3 18.15,213.3 17.98,213.47 17.98,213.7 18.15,213.87 19.44,213.87 19.51,213.93 19.51,214.02 19.44,214.09 18.15,214.09 17.98,214.25 17.98,214.49 18.15,214.66 19.44,214.66 19.51,214.72 19.51,214.81 19.44,214.87 18.15,214.87 17.98,215.04 17.98,215.28 18.15,215.45 19.44,215.45 19.51,215.51 19.51,215.6 19.44,215.66 18.15,215.66 17.98,215.83 17.98,216.07 18.15,216.23 19.44,216.23 19.51,216.3 19.51,216.39 19.44,216.45 18.15,216.45 17.98,216.62 17.98,216.85 18.15,217.02 19.44,217.02 19.51,217.08 19.51,217.17 19.44,217.24 18.15,217.24 17.98,217.4 17.98,217.64 18.15,217.81 19.44,217.81 19.51,217.87 19.51,217.96 19.44,218.02 18.15,218.02 17.98,218.19 17.98,218.43 18.15,218.59 19.44,218.59 19.51,218.66 19.51,218.75 19.44,218.81 18.15,218.81 17.98,218.98 17.98,219.21 18.15,219.38 19.44,219.38 19.51,219.45 19.51,219.53 19.44,219.6 18.15,219.6 17.98,219.77 17.98,220 18.15,220.17 19.44,220.17 19.51,220.23 19.51,220.32 19.44,220.39 18.15,220.39 17.98,220.55 17.98,220.79 18.15,220.96 19.44,220.96 19.51,221.02 19.51,221.11 19.44,221.17 18.15,221.17 17.98,221.34 17.98,221.58 18.15,221.74 19.44,221.74 19.51,221.81 19.51,221.9 19.44,221.96 18.15,221.96 17.98,222.13 17.98,222.36 18.15,222.53 19.44,222.53 19.51,222.6 19.51,222.68 19.44,222.75 18.15,222.75 17.98,222.92 17.98,223.15 18.15,223.32 19.44,223.32 19.51,223.38 19.51,223.47 19.44,223.54 18.15,223.54 17.98,223.7 17.98,223.94 18.15,224.11 19.44,224.11 19.51,224.17 19.51,224.26 19.44,224.32 18.15,224.32 17.98,224.49 17.98,224.73 18.15,224.89 19.44,224.89 19.51,224.96 19.51,225.05 19.44,225.11 18.15,225.11 17.98,225.28 17.98,225.51 18.15,225.68 19.44,225.68 19.51,225.75 19.51,225.83 19.44,225.9 18.15,225.9 17.98,226.07 17.98,226.3 18.15,226.47 19.44,226.47 19.51,226.53 19.51,226.62 19.44,226.68 18.15,226.68 17.98,226.85 17.98,231.7 16.08,233.61 16.08,273.25 19.61,276.78 46.28,276.78 47.19,277.7 47.19,283.03 47.55,283.39 62.05,283.39 63.04,282.39 63.04,281.23 62.41,280.6 62.41,279.09 62.94,278.56 65.71,278.56 67.11,279.96 83.13,279.96 85.29,277.8 104.47,277.8 106.6,275.66 106.6,258.88 105.11,257.38 102.58,257.38 101.9,256.71 101.9,254.94 101.01,254.05 101.01,254.04 100.61,253.64 100.6,253.64 100.53,253.57 99.64,253.57 99.38,253.3 v1(99.38,252.36)
  BOTTOM w0.203: U55.3 v1(99.38,252.36) ; U56.4 v1(19.33,160.72)
